# Altium PCB Proyecto0.PcbDoc (part 1 of 5) (continued)
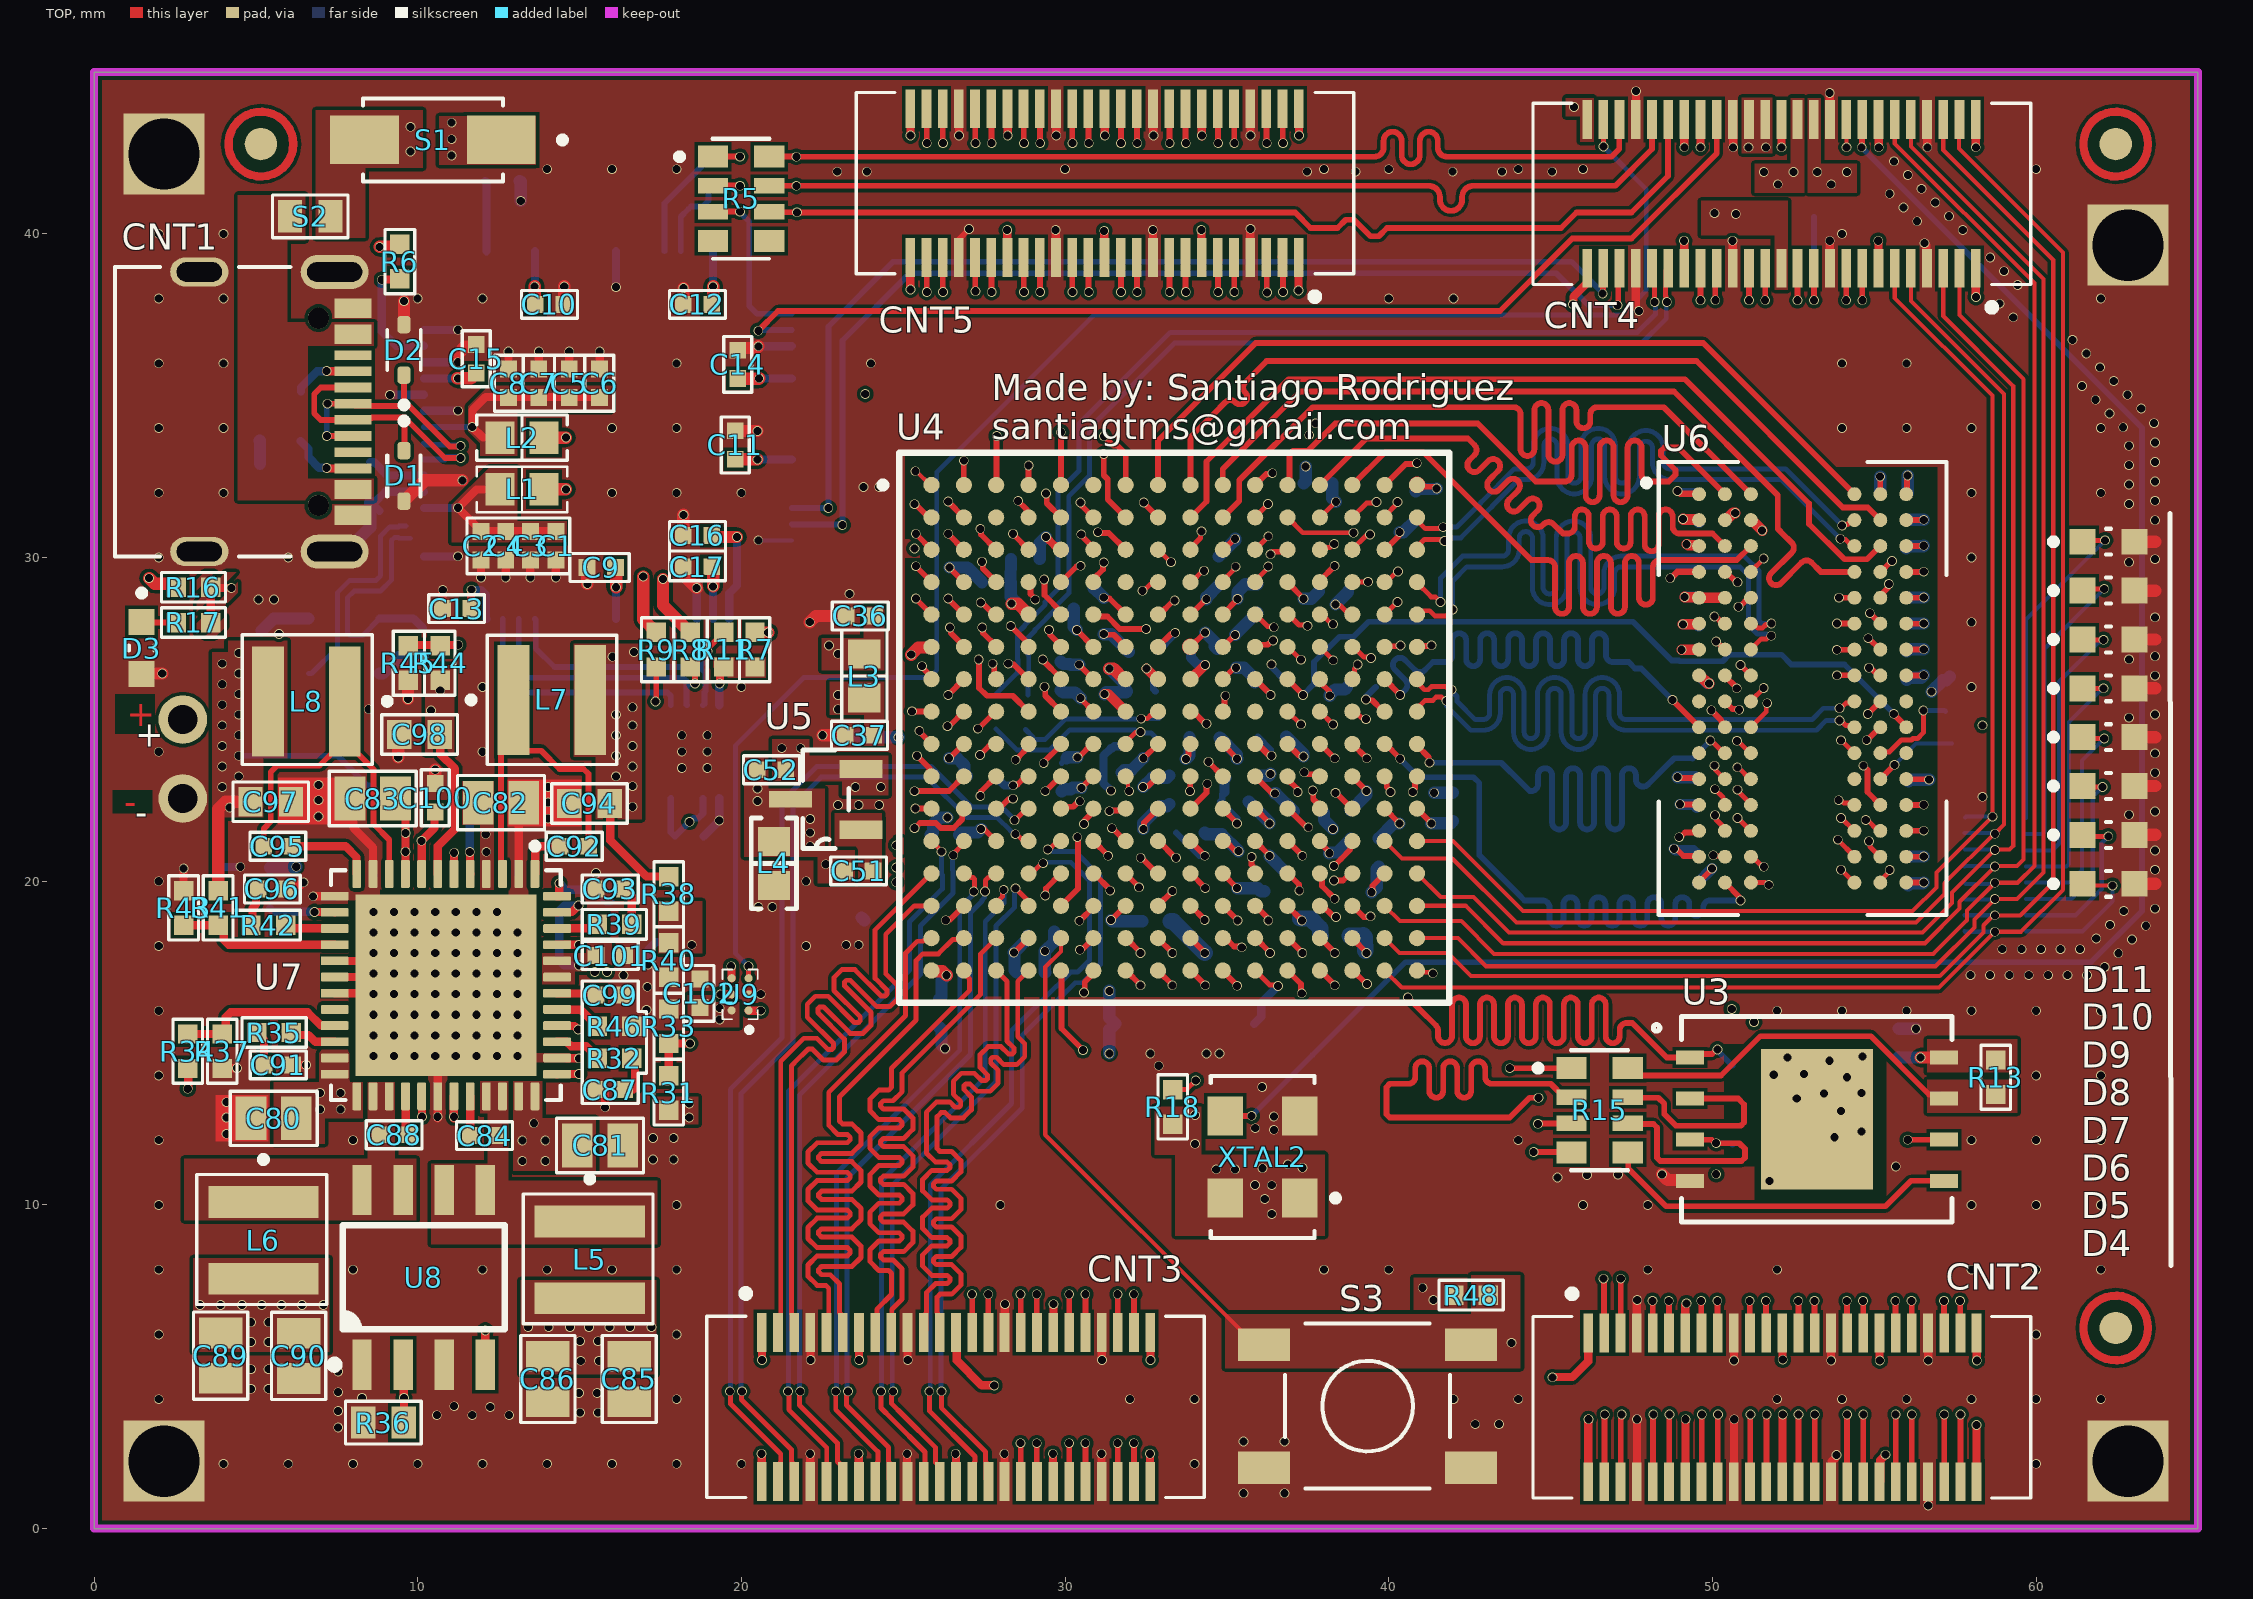
[diagram p0: TOP view]
## Classes and differential pairs
net class DDR_DATA: DQ0 DQ1 DQ2 DQ3 DQ4 DQ5 DQ6 DQ7 DQ8 DQ9 DQ10 DQ11 DQ12 DQ13 DQ14 DQ15 LDM LDQS_N LDQS_P UDM UDQS_N UDQS_P
net class DDR_CLK: CK_N CK_P
net class Leds&ResetButton: +3V3 GND LED0 LED1 LED2 LED3 LED4 LED5 LED6 LED7 NetD4_A NetD5_A NetD6_A NetD7_A NetD8_A NetD9_A NetD10_A NetD11_A RESET
net class FPGA_UART_SIGNALS: UART_RX UART_TX
net class FPGA_CONFIG_SIGNALS_U: CONFIG_TCK_T CONFIG_TDI_T CONFIG_TMS_T
net class FPGA_CONFIG_SIGNALS: CONFIG_TCK CONFIG_TDI CONFIG_TDO CONFIG_TMS
net class FLASH_SPI: QSPI_DATA0 QSPI_DATA1 QSPI_DATA2 QSPI_DATA3
net class FLASH_SPI_T: QSPI_C\S\ QSPI_CLK QSPI_DATA0_T QSPI_DATA1_T QSPI_DATA2_T QSPI_DATA3_T
net class DDR_DATA(8-15): DQ8 DQ9 DQ10 DQ11 DQ12 DQ13 DQ14 DQ15
net class DDR_DATA(0-7): DQ0 DQ1 DQ2 DQ3 DQ4 DQ5 DQ6 DQ7
net class DDR_CTRL: C\S\ CKE D\D\R\_\R\E\S\E\T\ ODT
net class DDR_ADD/CMD: ADD0 ADD1 ADD2 ADD3 ADD4 ADD5 ADD6 ADD7 ADD8 ADD9 ADD10 ADD11 ADD12 ADD13 ADD14 BA0 BA1 BA2 C\A\S\ R\A\S\ W\E\
net class Bank_35: A2 A3 A4 A5 A7 B1 B2 B4 B5 B6 B7 C1 C2 C3 C4 C6 C7 D1 D3 D4 D5 D6 E1 E2 E3 E5 E6 F2 F3 F4 F5 G1 G2 G4 G5 H1 H2 H3 H4 H5 J1 J3 J4 J5 K1 K2 K3 K5 L2 L3
net class BANK_34: L5 P5
net class Bank_14: K13 L13 M6 M15 N6 N9 N11 N12 N13 P8 P9 P10 P11 P13 P14 R7 R8 R10 R11 R12 R13 R15 R16 RESET T5 T7 T8 T9 T10 T12 T13 T14 T15
net class 100MHz: 100MHz
net class EEPROM_SIGNALS: EEPROM_CLK EEPROM_CS EEPROM_DATA
differential pair class USB_DIFF: USB_DATA
differential pair class BANK_34_DIFF: L1 L2 L3 L4 L5 L6 L7 L8 L9
differential pair class DDR_DATA_DIF: LDQS UDQS
differential pair class DDR_CLK_DIFF: CK
differential pair class ADC_DIFF_UNFILTERED: IN_Filter_ADC
differential pair class ADC_DIFF_FILTERED: ADC_IN
component class U_USB_Port_FTT: C1 C2 C3 C4 C5 C6 C7 C8 C9 C10 C11 C12 C13 C14 C15 C16 C17 C18 C19 C20 CNT1 D1 D2 L1 L2 R1 R2 R3 R4 R5 R6 R7 R8 R9 R10 R11 S1 S2 U1 U2 XTAL1
component class U_Power_Supply: C80 C81 C82 C83 C84 C85 C86 C87 C88 C89 C90 C91 C92 C93 C94 C95 C96 C97 C98 C99 C100 C101 C102 L5 L6 L7 L8 R25 R26 R27 R28 R29 R30 R31 R32 R33 R34 R35 R36 R37 R38 R39 R40 R41 R42 R43 R44 R45 R46 U7 U8 U9
component class U_Leds_and_Buttons: D4 D5 D6 D7 D8 D9 D10 D11 R47 R48 S3
component class U_FPGA_Banks: 2 C22 C23 C24 C25 C26 C27 C28 C29 C30 C31 C32 C33 C34 C35 C36 C37 C38 C39 C40 C41 C42 C43 C44 C45 C46 C47 C48 C49 C50 C51 C52 C53 C54 C55 C56 C57 C58 C59 C60 C61 C62 C63 C64 C65 C66 C67 C68 D3 L3 L4 R16 R17 R18 R19 R20 R21 U4 U5 XTAL2
component class U_Flash_Memory: C21 R12 R13 R14 R15 U3
component class U_DDR_Memory: C69 C70 C71 C72 C73 C74 C75 C76 C77 C78 C79 R22 R23 R24 U6
component class U_Bank_A-B-C-D: CNT2 CNT3 CNT4 CNT5 t
differential pair L9: +L9_P -L9_N
differential pair L8: +L8_P -L8_N
differential pair L7: +L7_P -L7_N
differential pair L5: +L5_P -L5_N
differential pair L3: +L3_P -L3_N
differential pair L2: +L2_P -L2_N
differential pair L1: +L1_P -L1_N
differential pair 12MHz_XTAL: +12MHz_XTAL_P -12MHz_XTAL_N
differential pair USB_DATA: +USB_DATA_P -USB_DATA_N
differential pair L6: +L6_P -L6_N
differential pair L4: +L4_P -L4_N
differential pair UDQS: +UDQS_P -UDQS_N
differential pair LDQS: +LDQS_P -LDQS_N
differential pair IN_Filter_ADC: +IN_Filter_ADC_P -IN_Filter_ADC_N
differential pair CK: +CK_P -CK_N
differential pair ADC_IN: +ADC_IN_P -ADC_IN_N

## Components (designator, comment, footprint, x,y, rotation, side; value= is the part's Value field where it differs from the comment)
C1 "0.47uF" CAP0402 14.269,30.361 r90 top
C2 "0.47uF" CAP0402 11.957,30.361 r90 top
C3 "4.7uF" CAP0402 13.481,30.361 r90 top
C4 "4.7uF" CAP0402 12.719,30.361 r90 top
C5 "0.47uF" CAP0402 14.681,35.382 r270 top
C6 "0.47uF" CAP0402 15.621,35.382 r270 top
C7 "4.7uF" CAP0402 13.741,35.382 r270 top
C8 "4.7uF" CAP0402 12.802,35.382 r270 top
C9 "0.1uF" CAP0402 15.672,29.693 r0 top
C10 "0.1uF" CAP0402 14.072,37.821 r180 top
C11 "0.1uF" CAP0402 19.812,33.477 r270 top
C12 "0.1uF" CAP0402 18.644,37.821 r0 top
C13 "0.47uF" CAP0402 11.202,28.423 r0 top
C14 "0.1uF" CAP0402 19.888,35.966 r270 top
C15 "0.1uF" CAP0402 11.811,36.144 r270 top
C16 "3.3uF" CAP0402 18.644,30.683 r180 top
C17 "0.1uF" CAP0402 18.644,29.718 r0 top
C18 "27pF" CAP0402 5.182,27.305 r270 bottom
C19 "27pF" CAP0402 10.16,27.381 r90 bottom
C20 "0.47uF" CAP0402 18.39,21.387 r180 bottom
C21 "0.1uF" CAP0402 55.753,15.011 r270 bottom
C22 "0.47uF" CAP0402 32.82,18.767 r180 bottom
C23 "0.47uF" CAP0402 28.771,29.955 r180 bottom
C24 "0.47uF" CAP0402 27.873,29.241 r0 bottom
C25 "4.7uF" CAP0402 36.468,19.999 r225 bottom
C26 "4.7uF" CAP0402 27.4,23.25 r180 bottom
C27 "47uF" CAP0805 24.278,27.926 r270 bottom
C28 "0.47uF" CAP0402 41.979,22.302 r270 bottom
C29 "0.47uF" CAP0402 38.347,18.322 r0 bottom
C30 "0.47uF" CAP0402 33.877,21.497 r180 bottom
C31 "0.47uF" CAP0402 30.575,28.736 r45 bottom
C32 "4.7uF" CAP0402 38.83,21.751 r270 bottom
C33 "4.7uF" CAP0402 39.693,20.888 r90 bottom
C34 "47uF" CAP0805 35.142,15.596 r0 bottom
C35 "47uF" CAP0805 32.254,15.596 r180 bottom
C36 "4.7uF" CAP0402 23.673,28.194 r0 top
C37 "0.47uF" CAP0402 23.647,24.511 r0 top
C38 "0.1uF" CAP0402 32.353,25.866 r0 bottom
C39 "0.47uF" CAP0402 39.152,25.993 r0 bottom
C40 "0.47uF" CAP0402 36.391,24.469 r0 bottom
C41 "0.47uF" CAP0402 38.252,29.134 r0 bottom
C42 "0.47uF" CAP0402 40.836,31.606 r90 bottom
C43 "4.7uF" CAP0402 37.814,32.292 r0 bottom
C44 "4.7uF" CAP0402 34.747,29.591 r90 bottom
C45 "47uF" CAP0805 36.17,33.858 r0 bottom
C46 "0.47uF" CAP0402 26.111,15.934 r90 bottom
C47 "0.47uF" CAP0402 28.949,17.179 r180 bottom
C48 "0.47uF" CAP0402 29.261,18.466 r180 bottom
C49 "4.7uF" CAP0402 26.289,21.438 r0 bottom
C50 "47uF" CAP0805 23.8,19.493 r90 bottom
C51 "0.1uF" CAP0402 23.622,20.32 r0 top
C52 "10uF" CAP0402 20.93,23.444 r0 top
C53 "0.1uF" CAP0402 31.75,23.8 r270 bottom
C54 "1nF" CAP0402 32.995,24.681 r90 bottom
C55 "0.47uF" CAP0402 34.258,27.187 r0 bottom
C56 "0.47uF" CAP0402 32.412,27.085 r180 bottom
C57 "0.47uF" CAP0402 33.216,22.826 r270 bottom
C58 "4.7uF" CAP0402 29.87,26.34 r90 bottom
C59 "4.7uF" CAP0402 29.896,23.216 r90 bottom
C60 "100uF" CAP1206 23.622,23.04 r90 bottom
C61 "0.47uF" CAP0402 35.934,28.736 r90 bottom
C62 "47uF" CAP0805 24.308,33.644 r90 bottom
C63 "0.47uF" CAP0402 35.231,22.462 r180 bottom
C64 "0.47uF" CAP0402 35.433,23.19 r180 bottom
C65 "0.47uF" CAP0402 36.373,26.187 r180 bottom
C66 "4.7uF" CAP0402 37.509,22.158 r180 bottom
C67 "4.7uF" CAP0402 34.341,24.435 r0 bottom
C68 "47uF" CAP0805 24.282,30.709 r270 bottom
C69 "0.47uF" CAP0402 49.53,22.716 r270 bottom
C70 "0.47uF" CAP0402 55.982,30.785 r270 bottom
C71 "0.47uF" CAP0402 56.05,20.312 r90 bottom
C72 "0.47uF" CAP0402 49.586,31.517 r90 bottom
C73 "0.47uF" CAP0402 55.999,26.662 r270 bottom
C74 "0.47uF" CAP0402 49.505,20.422 r90 bottom
C75 "0.47uF" CAP0402 55.593,31.996 r180 bottom
C76 "0.47uF" CAP0402 49.573,28.338 r270 bottom
C77 "0.47uF" CAP0402 55.986,28.317 r90 bottom
C78 "1uF" CAP0402 55.643,23.114 r180 bottom
C79 "10nF" CAP0402 49.586,26.797 r270 bottom
C80 "10uF" CAP0805 5.551,12.675 r0 top
C81 "10uF" CAP0805 15.632,11.836 r180 top
C82 "10uF" CAP0805 12.573,22.428 r180 top
C83 "10uF" CAP0805 8.611,22.555 r0 top
C84 "0.1uF" CAP0402 12.065,12.141 r0 top
C85 "47uF" CAP0805 16.535,4.623 r90 top
C86 "47uF" CAP0805 14.021,4.623 r90 top
C87 "2.7nF" CAP0402 15.951,13.564 r0 top value=2.2nF
C88 "0.1uF" CAP0402 9.271,12.167 r180 top
C89 "47uF" CAP0805 3.912,5.345 r90 top
C90 "47uF" CAP0805 6.325,5.334 r90 top
C91 "2.7nF" CAP0402 5.69,14.326 r180 top value=2.2nF
C92 "0.1uF" CAP0402 14.834,21.082 r0 top
C93 "2.7nF" CAP0402 15.951,19.761 r0 top value=2.2nF
C94 "22uF" CAP0603 15.306,22.403 r0 top
C95 "0.1uF" CAP0402 5.682,21.082 r180 top
C96 "2.7nF" CAP0402 5.512,19.761 r180 top value=2.2nF
C97 "22uF" CAP0603 5.461,22.454 r180 top
C98 "10uF" CAP0603 10.058,24.536 r0 top
C99 "1uF" CAP0402 15.951,16.485 r180 top
C100 "1uF" CAP0402 10.541,22.581 r270 top
C101 "1uF" CAP0402 15.951,17.704 r180 top
C102 "0.1uF" CAP0402 18.72,16.535 r90 top
CNT1 "USB-C" "USB-C 2.0 24 PINS (16+8 DUMMY)" 3.254,34.503 r270 top
CNT2 "528850574" 528850574 52.16,3.748 r0 top
CNT3 "528850574" 528850574 26.631,3.759 r0 top
CNT4 "528850574" 528850574 52.13,41.236 r180 top locked
CNT5 "528850574" 528850574 31.218,41.566 r180 top locked
D1 "ESD321" SOD-523 9.576,32.519 r270 top locked
D2 "ESD321" SOD-523 9.576,36.416 r90 top locked
D3 "597-3305-607F" 0603_LED 1.473,27.203 r270 top
D4 "597-3305-607F" 0603_LED 62.234,19.922 r0 top
D5 "597-3305-607F" 0603_LED 62.234,21.431 r0 top
D6 "597-3305-607F" 0603_LED 62.234,22.941 r0 top
D7 "597-3305-607F" 0603_LED 62.234,24.45 r0 top
D8 "597-3305-607F" 0603_LED 62.234,25.96 r0 top
D9 "597-3305-607F" 0603_LED 62.234,27.469 r0 top
D10 "597-3305-607F" 0603_LED 62.234,28.979 r0 top
D11 "597-3305-607F" 0603_LED 62.234,30.488 r0 top
L1 "HZ0603C651R-10" Fer0603 13.223,32.106 r180 top
L2 "HZ0603C651R-10" Fer0603 13.223,33.706 r180 top
L3 "HZ0603C651R-10" Fer0603 23.8,26.34 r270 top
L4 "HZ0603C651R-10" Fer0603 21.006,20.549 r90 top
L5 "3.3uH" IND1616-2.1mm 15.316,8.306 r270 top
L6 "1.5uH" IND1616-2.1mm 5.232,8.907 r270 top
L7 "6.8uH" IND1616-3.1mm 14.148,25.603 r0 top
L8 "3.3uH" IND1616-2.1mm 6.562,25.559 r180 top
R1 "5.1k" RES0603 5.766,33.604 r180 bottom
R2 "4.7k" RES0402 10.465,41.631 r180 bottom
R3 "10k" RES0402 12.624,41.631 r180 bottom
R4 "5.1k" RES0603 5.766,35.128 r0 bottom
R5 "100" ArrayResistor-1206 20.015,41.108 r0 top value="100 Ohms"
R6 "10k" RES0402 9.449,39.141 r270 top
R7 "10k" RES0402 20.422,27.153 r90 top
R8 "10k" RES0402 18.415,27.153 r90 top
R9 "10k" RES0402 17.374,27.153 r90 top
R10 "12k" RES0603 8.534,32.319 r90 bottom
R11 "2k" RES0402 19.456,27.153 r90 top
R12 "4.7k" RES0402 50.673,11.328 r270 bottom
R13 "4.7k" RES0402 58.75,13.945 r90 top
R14 "4.7k" RES0402 50.673,14.783 r90 bottom
R15 "100" ArrayResistor-1206 46.539,12.949 r0 top value="100 Ohms"
R16 "200" RES0402 3.073,29.083 r180 top
R17 "165" RES0402 3.073,27.991 r180 top
R18 "4.7k" RES0402 33.325,13.03 r270 top
R19 "4.7k" RES0402 52.603,40.433 r180 bottom
R20 "78.7" RES0402 28.778,25.222 r90 bottom value=78.8
R21 "78.7" RES0402 27.863,25.241 r90 bottom value=78.8
R22 "1K" RES0402 57.988,24.232 r0 bottom value=1k
R23 "1K" RES0402 57.988,23.19 r180 bottom value=1k
R24 "240" RES0402 57.328,25.781 r90 bottom
R25 "6.65k" RES0603 9.474,22.555 r180 bottom
R26 "1K" RES0603 15.951,18.745 r270 bottom value=1k
R27 "9.31k" RES0603 5.436,19.787 r90 bottom
R28 "12.7k" RES0603 12.141,22.555 r180 bottom
R29 "10k" RES0603 17.475,18.745 r90 bottom
R30 "10k" RES0603 3.861,19.787 r270 bottom
R31 "31.6k" RES0402 17.755,13.462 r270 top
R32 "15k" RES0402 16.078,14.529 r180 top
R33 "10.2k" RES0402 17.755,15.519 r90 top
R34 "2.49k" RES0402 2.896,14.748 r270 top
R35 "10k" RES0402 5.563,15.326 r0 top
R36 "47k" RES0603 8.941,3.277 r180 top
R37 "10k" RES0402 3.962,14.748 r270 top
R38 "12.7k" RES0402 17.755,19.609 r90 top
R39 "10k" RES0402 16.078,18.669 r180 top
R40 "10.2k" RES0402 17.755,17.566 r270 top
R41 "6.65k" RES0402 3.835,19.177 r90 top
R42 "10k" RES0402 5.385,18.644 r0 top
R43 "10k" RES0402 2.769,19.175 r90 top
R44 "4.99k" RES0402 10.693,26.736 r270 top
R45 "1.91k" RES0402 9.703,26.736 r270 top
R46 "31.6k" RES0402 16.078,15.519 r180 top
R47 "330" ArrayResistor-1506 58.735,20.205 r0 bottom locked value="330 Ohms"
R48 "10k" RES0402 42.545,7.214 r180 top
S1 "SK34A" "Diode SMA-2" 10.472,42.901 r180 top
S2 "PTSLR06038V050" PTSLR0603 6.68,40.538 r0 top
S3 "PTS526SK15SMTR2 LFS" "Push Button" 39.345,3.785 r0 top
U1 "FT2232HL" LQPF-64 15.875,33.782 r0 bottom locked
U2 "93C56B" DFN-8 18.567,24.003 r270 bottom
U3 "W25N04KVZEIR" WSON-8 53.226,12.649 r0 top
U4 "XC7A35TFTG256" BGA-256 33.373,24.741 r0 top locked
U5 "REF3012" SOT23-3 22.606,22.53 r180 top
U6 "AS4C256M16D3LC" FBGA-96 52.786,25.957 r0 top locked
U7 "ADP5052" LFCSP-48 10.871,16.789 r270 top locked
U8 "FDS8949" SOIC8 10.185,7.765 r90 top locked
U9 "BD2204GUL" "UFBGA-6 (VCSP50L1)" 19.964,16.51 r90 top
XTAL1 "12 MHz" XTAL_ABM8G 7.721,27.266 r0 bottom
XTAL2 "ASFLMB-100.000MHZ-LC-T" XTAL_ASFLMB 36.1,11.481 r270 top locked

## Footprints (in the part's own frame and the unit in brackets; to place one, negate y for a bottom-side part, rotate by r counter-clockwise, add the part's x,y. Pads: shape width x height; smd on the part's side, far side on the other; paste and mask are expansions set on the pad)
0603_LED [mm] "Led 0805"
  rect 0.8x0.8 smd: A(-0.8,0) C(0.8,0)
  silkscreen extent -1.8,-0.4 0.08,0.4, body extent -0.8,-0.4 0.8,0.4, height 0.8
528850574 [mm] "Connector 50 pins"
  rect 0.3x1.2 smd: 1(-6,2.3) 2(-5.5,2.3) 3(-5,2.3) 4(-4.5,2.3) 5(-4,2.3) 6(-3.5,2.3) 7(-3,2.3) 8(-2.5,2.3) 9(-2,2.3) 10(-1.5,2.3) 11(-1,2.3) 12(-0.5,2.3) 13(0,2.3) 14(0.5,2.3) 15(1,2.3) 16(1.5,2.3) 17(2,2.3) 18(2.5,2.3) 19(3,2.3) 20(3.5,2.3) 21(4,2.3) 22(4.5,2.3) 23(5,2.3) 24(5.5,2.3) 25(6,2.3) 26(6,-2.3) 27(5.5,-2.3) 28(5,-2.3) 29(4.5,-2.3) 30(4,-2.3) 31(3.5,-2.3) 32(3,-2.3) 33(2.5,-2.3) 34(2,-2.3) 35(1.5,-2.3) 36(1,-2.3) 37(0.5,-2.3) 38(0,-2.3) 39(-0.5,-2.3) 40(-1,-2.3) 41(-1.5,-2.3) 42(-2,-2.3) 43(-2.5,-2.3) 44(-3,-2.3) 45(-3.5,-2.3) 46(-4,-2.3) 47(-4.5,-2.3) 48(-5,-2.3) 49(-5.5,-2.3) 50(-6,-2.3)
  silkscreen extent -7.7,-2.8 7.67,3.61, body extent -7.55,-2.65 7.55,2.65, height 2.1
ArrayResistor-1206 [mm]
  rect 0.93x0.68 smd: 1(-0.895,1.275) 4(-0.895,-1.325) 5(0.845,-1.325) 8(0.845,1.275)
  rect 0.93x0.48 smd: 2(-0.895,0.375) 3(-0.895,-0.425) 6(0.845,-0.425) 7(0.845,0.375)
  silkscreen extent -2.03,-1.88 0.85,1.83, body extent -0.83,-1.63 0.77,1.57, height 0.6
ArrayResistor-1506 [mm]
  rect 0.75x0.4 smd: 1(-0.95,1.75) 2(-0.95,1.25) 3(-0.95,0.75) 4(-0.95,0.25) 5(-0.95,-0.25) 6(-0.95,-0.75) 7(-0.95,-1.25) 8(-0.95,-1.75) 9(0.95,-1.75) 10(0.95,-1.25) 11(0.95,-0.75) 12(0.95,-0.25) 13(0.95,0.25) 14(0.95,0.75) 15(0.95,1.25) 16(0.95,1.75)
  silkscreen extent -1.42,-2.13 0.93,2.26, body extent -0.8,-1.9 0.8,1.9, height 0.55
BGA-256 [mm] "BGA-256"
  round 0.5 smd: A1(-7.5,7.5) A2(-6.5,7.5) A3(-5.5,7.5) A4(-4.5,7.5) A5(-3.5,7.5) A6(-2.5,7.5) A7(-1.5,7.5) A8(-0.5,7.5) A9(0.5,7.5) A10(1.5,7.5) A11(2.5,7.5) A12(3.5,7.5) A13(4.5,7.5) A14(5.5,7.5) A15(6.5,7.5) A16(7.5,7.5) B1(-7.5,6.5) B2(-6.5,6.5) B3(-5.5,6.5) B4(-4.5,6.5) B5(-3.5,6.5) B6(-2.5,6.5) B7(-1.5,6.5) B8(-0.5,6.5) B9(0.5,6.5) B10(1.5,6.5) B11(2.5,6.5) B12(3.5,6.5) B13(4.5,6.5) B14(5.5,6.5) B15(6.5,6.5) B16(7.5,6.5) C1(-7.5,5.5) C2(-6.5,5.5) C3(-5.5,5.5) C4(-4.5,5.5) C5(-3.5,5.5) C6(-2.5,5.5) C7(-1.5,5.5) C8(-0.5,5.5) C9(0.5,5.5) C10(1.5,5.5) C11(2.5,5.5) C12(3.5,5.5) C13(4.5,5.5) C14(5.5,5.5) C15(6.5,5.5) C16(7.5,5.5) D1(-7.5,4.5) D2(-6.5,4.5) D3(-5.5,4.5) D4(-4.5,4.5) D5(-3.5,4.5) D6(-2.5,4.5) D7(-1.5,4.5) D8(-0.5,4.5) D9(0.5,4.5) D10(1.5,4.5) D11(2.5,4.5) D12(3.5,4.5) D13(4.5,4.5) D14(5.5,4.5) D15(6.5,4.5) D16(7.5,4.5) E1(-7.5,3.5) E2(-6.5,3.5) E3(-5.5,3.5) E4(-4.5,3.5) E5(-3.5,3.5) E6(-2.5,3.5) E7(-1.5,3.5) E8(-0.5,3.5) E9(0.5,3.5) E10(1.5,3.5) E11(2.5,3.5) E12(3.5,3.5) E13(4.5,3.5) E14(5.5,3.5) E15(6.5,3.5) E16(7.5,3.5) F1(-7.5,2.5) F2(-6.5,2.5) F3(-5.5,2.5) F4(-4.5,2.5) F5(-3.5,2.5) F6(-2.5,2.5) F7(-1.5,2.5) F8(-0.5,2.5) F9(0.5,2.5) F10(1.5,2.5) F11(2.5,2.5) F12(3.5,2.5) F13(4.5,2.5) F14(5.5,2.5) F15(6.5,2.5) F16(7.5,2.5) G1(-7.5,1.5) G2(-6.5,1.5) G3(-5.5,1.5) G4(-4.5,1.5) G5(-3.5,1.5) G6(-2.5,1.5) G7(-1.5,1.5) G8(-0.5,1.5) G9(0.5,1.5) G10(1.5,1.5) G11(2.5,1.5) G12(3.5,1.5) G13(4.5,1.5) G14(5.5,1.5) G15(6.5,1.5) G16(7.5,1.5) H1(-7.5,0.5) H2(-6.5,0.5) H3(-5.5,0.5) H4(-4.5,0.5) H5(-3.5,0.5) H6(-2.5,0.5) H7(-1.5,0.5) H8(-0.5,0.5) H9(0.5,0.5) H10(1.5,0.5) H11(2.5,0.5) H12(3.5,0.5) H13(4.5,0.5) H14(5.5,0.5) H15(6.5,0.5) H16(7.5,0.5) J1(-7.5,-0.5) J2(-6.5,-0.5) J3(-5.5,-0.5) J4(-4.5,-0.5) J5(-3.5,-0.5) J6(-2.5,-0.5) J7(-1.5,-0.5) J8(-0.5,-0.5) J9(0.5,-0.5) J10(1.5,-0.5) J11(2.5,-0.5) J12(3.5,-0.5) J13(4.5,-0.5) J14(5.5,-0.5) J15(6.5,-0.5) J16(7.5,-0.5) K1(-7.5,-1.5) K2(-6.5,-1.5) K3(-5.5,-1.5) K4(-4.5,-1.5) K5(-3.5,-1.5) K6(-2.5,-1.5) K7(-1.5,-1.5) K8(-0.5,-1.5) K9(0.5,-1.5) K10(1.5,-1.5) K11(2.5,-1.5) K12(3.5,-1.5) K13(4.5,-1.5) K14(5.5,-1.5) K15(6.5,-1.5) K16(7.5,-1.5) L1(-7.5,-2.5) L2(-6.5,-2.5) L3(-5.5,-2.5) L4(-4.5,-2.5) L5(-3.5,-2.5) L6(-2.5,-2.5) L7(-1.5,-2.5) L8(-0.5,-2.5) L9(0.5,-2.5) L10(1.5,-2.5) L11(2.5,-2.5) L12(3.5,-2.5) L13(4.5,-2.5) L14(5.5,-2.5) L15(6.5,-2.5) L16(7.5,-2.5) M1(-7.5,-3.5) M2(-6.5,-3.5) M3(-5.5,-3.5) M4(-4.5,-3.5) M5(-3.5,-3.5) M6(-2.5,-3.5) M7(-1.5,-3.5) M8(-0.5,-3.5) M9(0.5,-3.5) M10(1.5,-3.5) M11(2.5,-3.5) M12(3.5,-3.5) M13(4.5,-3.5) M14(5.5,-3.5) M15(6.5,-3.5) M16(7.5,-3.5) N1(-7.5,-4.5) N2(-6.5,-4.5) N3(-5.5,-4.5) N4(-4.5,-4.5) N5(-3.5,-4.5) N6(-2.5,-4.5) N7(-1.5,-4.5) N8(-0.5,-4.5) N9(0.5,-4.5) N10(1.5,-4.5) N11(2.5,-4.5) N12(3.5,-4.5) N13(4.5,-4.5) N14(5.5,-4.5) N15(6.5,-4.5) N16(7.5,-4.5) P1(-7.5,-5.5) P2(-6.5,-5.5) P3(-5.5,-5.5) P4(-4.5,-5.5) P5(-3.5,-5.5) P6(-2.5,-5.5) P7(-1.5,-5.5) P8(-0.5,-5.5) P9(0.5,-5.5) P10(1.5,-5.5) P11(2.5,-5.5) P12(3.5,-5.5) P13(4.5,-5.5) P14(5.5,-5.5) P15(6.5,-5.5) P16(7.5,-5.5) R1(-7.5,-6.5) R2(-6.5,-6.5) R3(-5.5,-6.5) R4(-4.5,-6.5) R5(-3.5,-6.5) R6(-2.5,-6.5) R7(-1.5,-6.5) R8(-0.5,-6.5) R9(0.5,-6.5) R10(1.5,-6.5) R11(2.5,-6.5) R12(3.5,-6.5) R13(4.5,-6.5) R14(5.5,-6.5) R15(6.5,-6.5) R16(7.5,-6.5) T1(-7.5,-7.5) T2(-6.5,-7.5) T3(-5.5,-7.5) T4(-4.5,-7.5) T5(-3.5,-7.5) T6(-2.5,-7.5) T7(-1.5,-7.5) T8(-0.5,-7.5) T9(0.5,-7.5) T10(1.5,-7.5) T11(2.5,-7.5) T12(3.5,-7.5) T13(4.5,-7.5) T14(5.5,-7.5) T15(6.5,-7.5) T16(7.5,-7.5)
  silkscreen extent -9.1,-8.5 8.5,8.5, body extent -8.51,-8.49 8.49,8.51, height 1.4
CAP0402 [mm]
  rect 0.52x0.52 smd: 1(-0.44,0) 2(0.44,0)
  silkscreen extent -0.86,-0.43 0.86,0.43, body extent -0.5,-0.26 0.5,0.26, height 0.52
CAP0603 [mm]
  rect 0.75x0.9 smd: 1(-0.625,0) 2(0.625,0)
  silkscreen extent -1.17,-0.61 1.17,0.61, body extent -0.8,-0.41 0.8,0.41, height 0.82
CAP0805 [mm]
  rect 0.95x1.35 smd: 1(-0.7,0) 2(0.7,0)
  silkscreen extent -1.39,-0.84 1.35,0.84, body extent -1,-0.64 1,0.64, height 1.27
CAP1206 [mm]
  rect 0.95x1.7 smd: 1(-1.45,0) 2(1.45,0)
  silkscreen extent -2.08,-1.02 2.08,1.02, body extent -1.6,-0.8 1.6,0.8, height 0.8
DFN-8 [mm]
  rect 0.84x0.26 smd: 1(-1.435,0.75) 2(-1.435,0.25) 3(-1.435,-0.25) 4(-1.435,-0.75) 5(1.435,-0.75) 6(1.435,-0.25) 7(1.435,0.25) 8(1.435,0.75)
  rect 1.7x1.525 smd paste-0.312: 5(0,0)
  silkscreen extent -2.63,-1.2 1.5,1.2, body extent -1.52,-1 1.53,1, height 1
"Diode SMA-2" [mm]
  rect 2.12x1.5 smd: A(2.115,0) C(-2.115,0)
  silkscreen extent -4.1,-1.28 2.16,1.28, body extent -2.57,-1.28 2.57,1.28, height 2.5
FBGA-96 [mm]
  round 0.43 smd: A1(-3.2,6) A2(-2.4,6) A3(-1.6,6) A7(1.6,6) A8(2.4,6) A9(3.2,6) B1(-3.2,5.2) B2(-2.4,5.2) B3(-1.6,5.2) B7(1.6,5.2) B8(2.4,5.2) B9(3.2,5.2) C1(-3.2,4.4) C2(-2.4,4.4) C3(-1.6,4.4) C7(1.6,4.4) C8(2.4,4.4) C9(3.2,4.4) D1(-3.2,3.6) D2(-2.4,3.6) D3(-1.6,3.6) D7(1.6,3.6) D8(2.4,3.6) D9(3.2,3.6) E1(-3.2,2.8) E2(-2.4,2.8) E3(-1.6,2.8) E7(1.6,2.8) E8(2.4,2.8) E9(3.2,2.8) F1(-3.2,2) F2(-2.4,2) F3(-1.6,2) F7(1.6,2) F8(2.4,2) F9(3.2,2) G1(-3.2,1.2) G2(-2.4,1.2) G3(-1.6,1.2) G7(1.6,1.2) G8(2.4,1.2) G9(3.2,1.2) H1(-3.2,0.4) H2(-2.4,0.4) H3(-1.6,0.4) H7(1.6,0.4) H8(2.4,0.4) H9(3.2,0.4) J1(-3.2,-0.4) J2(-2.4,-0.4) J3(-1.6,-0.4) J7(1.6,-0.4) J8(2.4,-0.4) J9(3.2,-0.4) K1(-3.2,-1.2) K2(-2.4,-1.2) K3(-1.6,-1.2) K7(1.6,-1.2) K8(2.4,-1.2) K9(3.2,-1.2) L1(-3.2,-2) L2(-2.4,-2) L3(-1.6,-2) L7(1.6,-2) L8(2.4,-2) L9(3.2,-2) M1(-3.2,-2.8) M2(-2.4,-2.8) M3(-1.6,-2.8) M7(1.6,-2.8) M8(2.4,-2.8) M9(3.2,-2.8) N1(-3.2,-3.6) N2(-2.4,-3.6) N3(-1.6,-3.6) N7(1.6,-3.6) N8(2.4,-3.6) N9(3.2,-3.6) P1(-3.2,-4.4) P2(-2.4,-4.4) P3(-1.6,-4.4) P7(1.6,-4.4) P8(2.4,-4.4) P9(3.2,-4.4) R1(-3.2,-5.2) R2(-2.4,-5.2) R3(-1.6,-5.2) R7(1.6,-5.2) R8(2.4,-5.2) R9(3.2,-5.2) T1(-3.2,-6) T2(-2.4,-6) T3(-1.6,-6) T7(1.6,-6) T8(2.4,-6) T9(3.2,-6)
  silkscreen extent -4.93,-7 4.44,7, body extent -4.5,-7 4.5,7, height 1.08
Fer0603 [mm]
  rect 0.9x1 smd: 1(-0.675,0) 2(0.675,0)
  silkscreen extent -1.4,-0.7 1.4,0.7, body extent -0.8,-0.41 0.8,0.41, height 0.82
IND1616-2.1mm [mm]
  rect 0.98x3.4 smd: 1(-1.185,0) 2(1.185,0)
  silkscreen extent -2.6,-2.06 1.98,1.96, body extent -2.02,-2.04 1.97,1.94, height 2.08
IND1616-3.1mm [mm]
  rect 0.98x3.4 smd: 1(-1.185,0) 2(1.185,0)
  silkscreen extent -2.6,-2 2,2, body extent -2,-2 2,2, height 3.04
LFCSP-48 [mm]
  rrect25% 0.86x0.27 smd: 1(-3.435,2.75) 2(-3.435,2.25) 3(-3.435,1.75) 4(-3.435,1.25) 5(-3.435,0.75) 6(-3.435,0.25) 7(-3.435,-0.25) 8(-3.435,-0.75) 9(-3.435,-1.25) 10(-3.435,-1.75) 11(-3.435,-2.25) 12(-3.435,-2.75) 25(3.435,-2.75) 26(3.435,-2.25) 27(3.435,-1.75) 28(3.435,-1.25) 29(3.435,-0.75) 30(3.435,-0.25) 31(3.435,0.25) 32(3.435,0.75) 33(3.435,1.25) 34(3.435,1.75) 35(3.435,2.25) 36(3.435,2.75)
  rrect25% 0.27x0.86 smd: 13(-2.75,-3.435) 14(-2.25,-3.435) 15(-1.75,-3.435) 16(-1.25,-3.435) 17(-0.75,-3.435) 18(-0.25,-3.435) 19(0.25,-3.435) 20(0.75,-3.435) 21(1.25,-3.435) 22(1.75,-3.435) 23(2.25,-3.435) 24(2.75,-3.435) 37(2.75,3.435) 38(2.25,3.435) 39(1.75,3.435) 40(1.25,3.435) 41(0.75,3.435) 42(0.25,3.435) 43(-0.25,3.435) 44(-0.75,3.435) 45(-1.25,3.435) 46(-1.75,3.435) 47(-2.25,3.435) 48(-2.75,3.435)
  rect 5.6x5.6 smd paste-4: 49(0,0)
  silkscreen extent -4.39,-3.55 3.55,3.55, body extent -3.5,-3.5 3.5,3.5, height 0.8
LQPF-64 [mm]
  rrect25% 1.56x0.28 smd: 1(-5.68,3.75) 2(-5.68,3.25) 3(-5.68,2.75) 4(-5.68,2.25) 5(-5.68,1.75) 6(-5.68,1.25) 7(-5.68,0.75) 8(-5.68,0.25) 9(-5.68,-0.25) 10(-5.68,-0.75) 11(-5.68,-1.25) 12(-5.68,-1.75) 13(-5.68,-2.25) 14(-5.68,-2.75) 15(-5.68,-3.25) 16(-5.68,-3.75) 33(5.68,-3.75) 34(5.68,-3.25) 35(5.68,-2.75) 36(5.68,-2.25) 37(5.68,-1.75) 38(5.68,-1.25) 39(5.68,-0.75) 40(5.68,-0.25) 41(5.68,0.25) 42(5.68,0.75) 43(5.68,1.25) 44(5.68,1.75) 45(5.68,2.25) 46(5.68,2.75) 47(5.68,3.25) 48(5.68,3.75)
  rrect25% 0.28x1.56 smd: 17(-3.75,-5.68) 18(-3.25,-5.68) 19(-2.75,-5.68) 20(-2.25,-5.68) 21(-1.75,-5.68) 22(-1.25,-5.68) 23(-0.75,-5.68) 24(-0.25,-5.68) 25(0.25,-5.68) 26(0.75,-5.68) 27(1.25,-5.68) 28(1.75,-5.68) 29(2.25,-5.68) 30(2.75,-5.68) 31(3.25,-5.68) 32(3.75,-5.68) 49(3.75,5.68) 50(3.25,5.68) 51(2.75,5.68) 52(2.25,5.68) 53(1.75,5.68) 54(1.25,5.68) 55(0.75,5.68) 56(0.25,5.68) 57(-0.25,5.68) 58(-0.75,5.68) 59(-1.25,5.68) 60(-1.75,5.68) 61(-2.25,5.68) 62(-2.75,5.68) 63(-3.25,5.68) 64(-3.75,5.68)
  silkscreen extent -7.11,-5.05 5.05,5.05, body extent -6,-6 6,6, height 1.61
PTSLR0603 [mm]
  rect 0.75x1 smd: 1(-0.625,0) 2(0.625,0)
  silkscreen extent -1.17,-0.66 1.17,0.66, body extent -0.8,-0.39 0.8,0.41, height 0.45
"Push Button" [mm]
  rect 1.6x1 smd: 1(-3.2,1.9) 2(3.2,1.9) 3(-3.2,-1.9) 4(3.2,-1.9)
  silkscreen extent -2.55,-2.55 2.55,2.55, body extent -3.2,-2.55 3.2,2.55, height 1.6
RES0402 [mm]
  rect 0.6x0.6 smd: 1(-0.533,0) 2(0.533,0)
  silkscreen extent -0.99,-0.46 0.99,0.46, body extent -0.5,-0.25 0.5,0.25, height 0.35
RES0603 [mm]
  rect 0.75x1 smd: 1(-0.625,0) 2(0.625,0)
  silkscreen extent -1.17,-0.66 1.17,0.66, body extent -0.8,-0.39 0.8,0.41, height 0.45
SOD-523 [mm]
  rrect50% 0.54x0.4 smd: A(0.78,0) K(-0.78,0)
  silkscreen extent -1.8,-0.52 0.63,0.52, body extent -0.8,-0.4 0.8,0.4, height 0.65
SOIC8 [mm]
  rect 1.55x0.6 smd: 1(-2.7,1.905) 2(-2.7,0.635) 3(-2.7,-0.635) 4(-2.7,-1.905) 5(2.7,-1.905) 6(2.7,-0.635) 7(2.7,0.635) 8(2.7,1.905)
  silkscreen extent -2.82,-2.5 1.6,2.88, body extent -3,-2.5 3,2.5, height 1.75
SOT23-3 [mil]
  rect 52x22 smd: 1(-43,37) 2(-43,-37)
  rect 52x20 smd: 3(43,0)
  silkscreen extent -28,-60 28,60, body extent -47,-57 47,57, height 37
"UFBGA-6 (VCSP50L1)" [mm]
  round 0.25 smd mask+0.05: A1(-0.501,0.265) A2(-0.004,0.265) A3(0.494,0.265) B1(-0.501,-0.26) B2(-0.004,-0.26) B3(0.494,-0.26)